# KiCad board SDR_1.2_Base.kicad_pcb
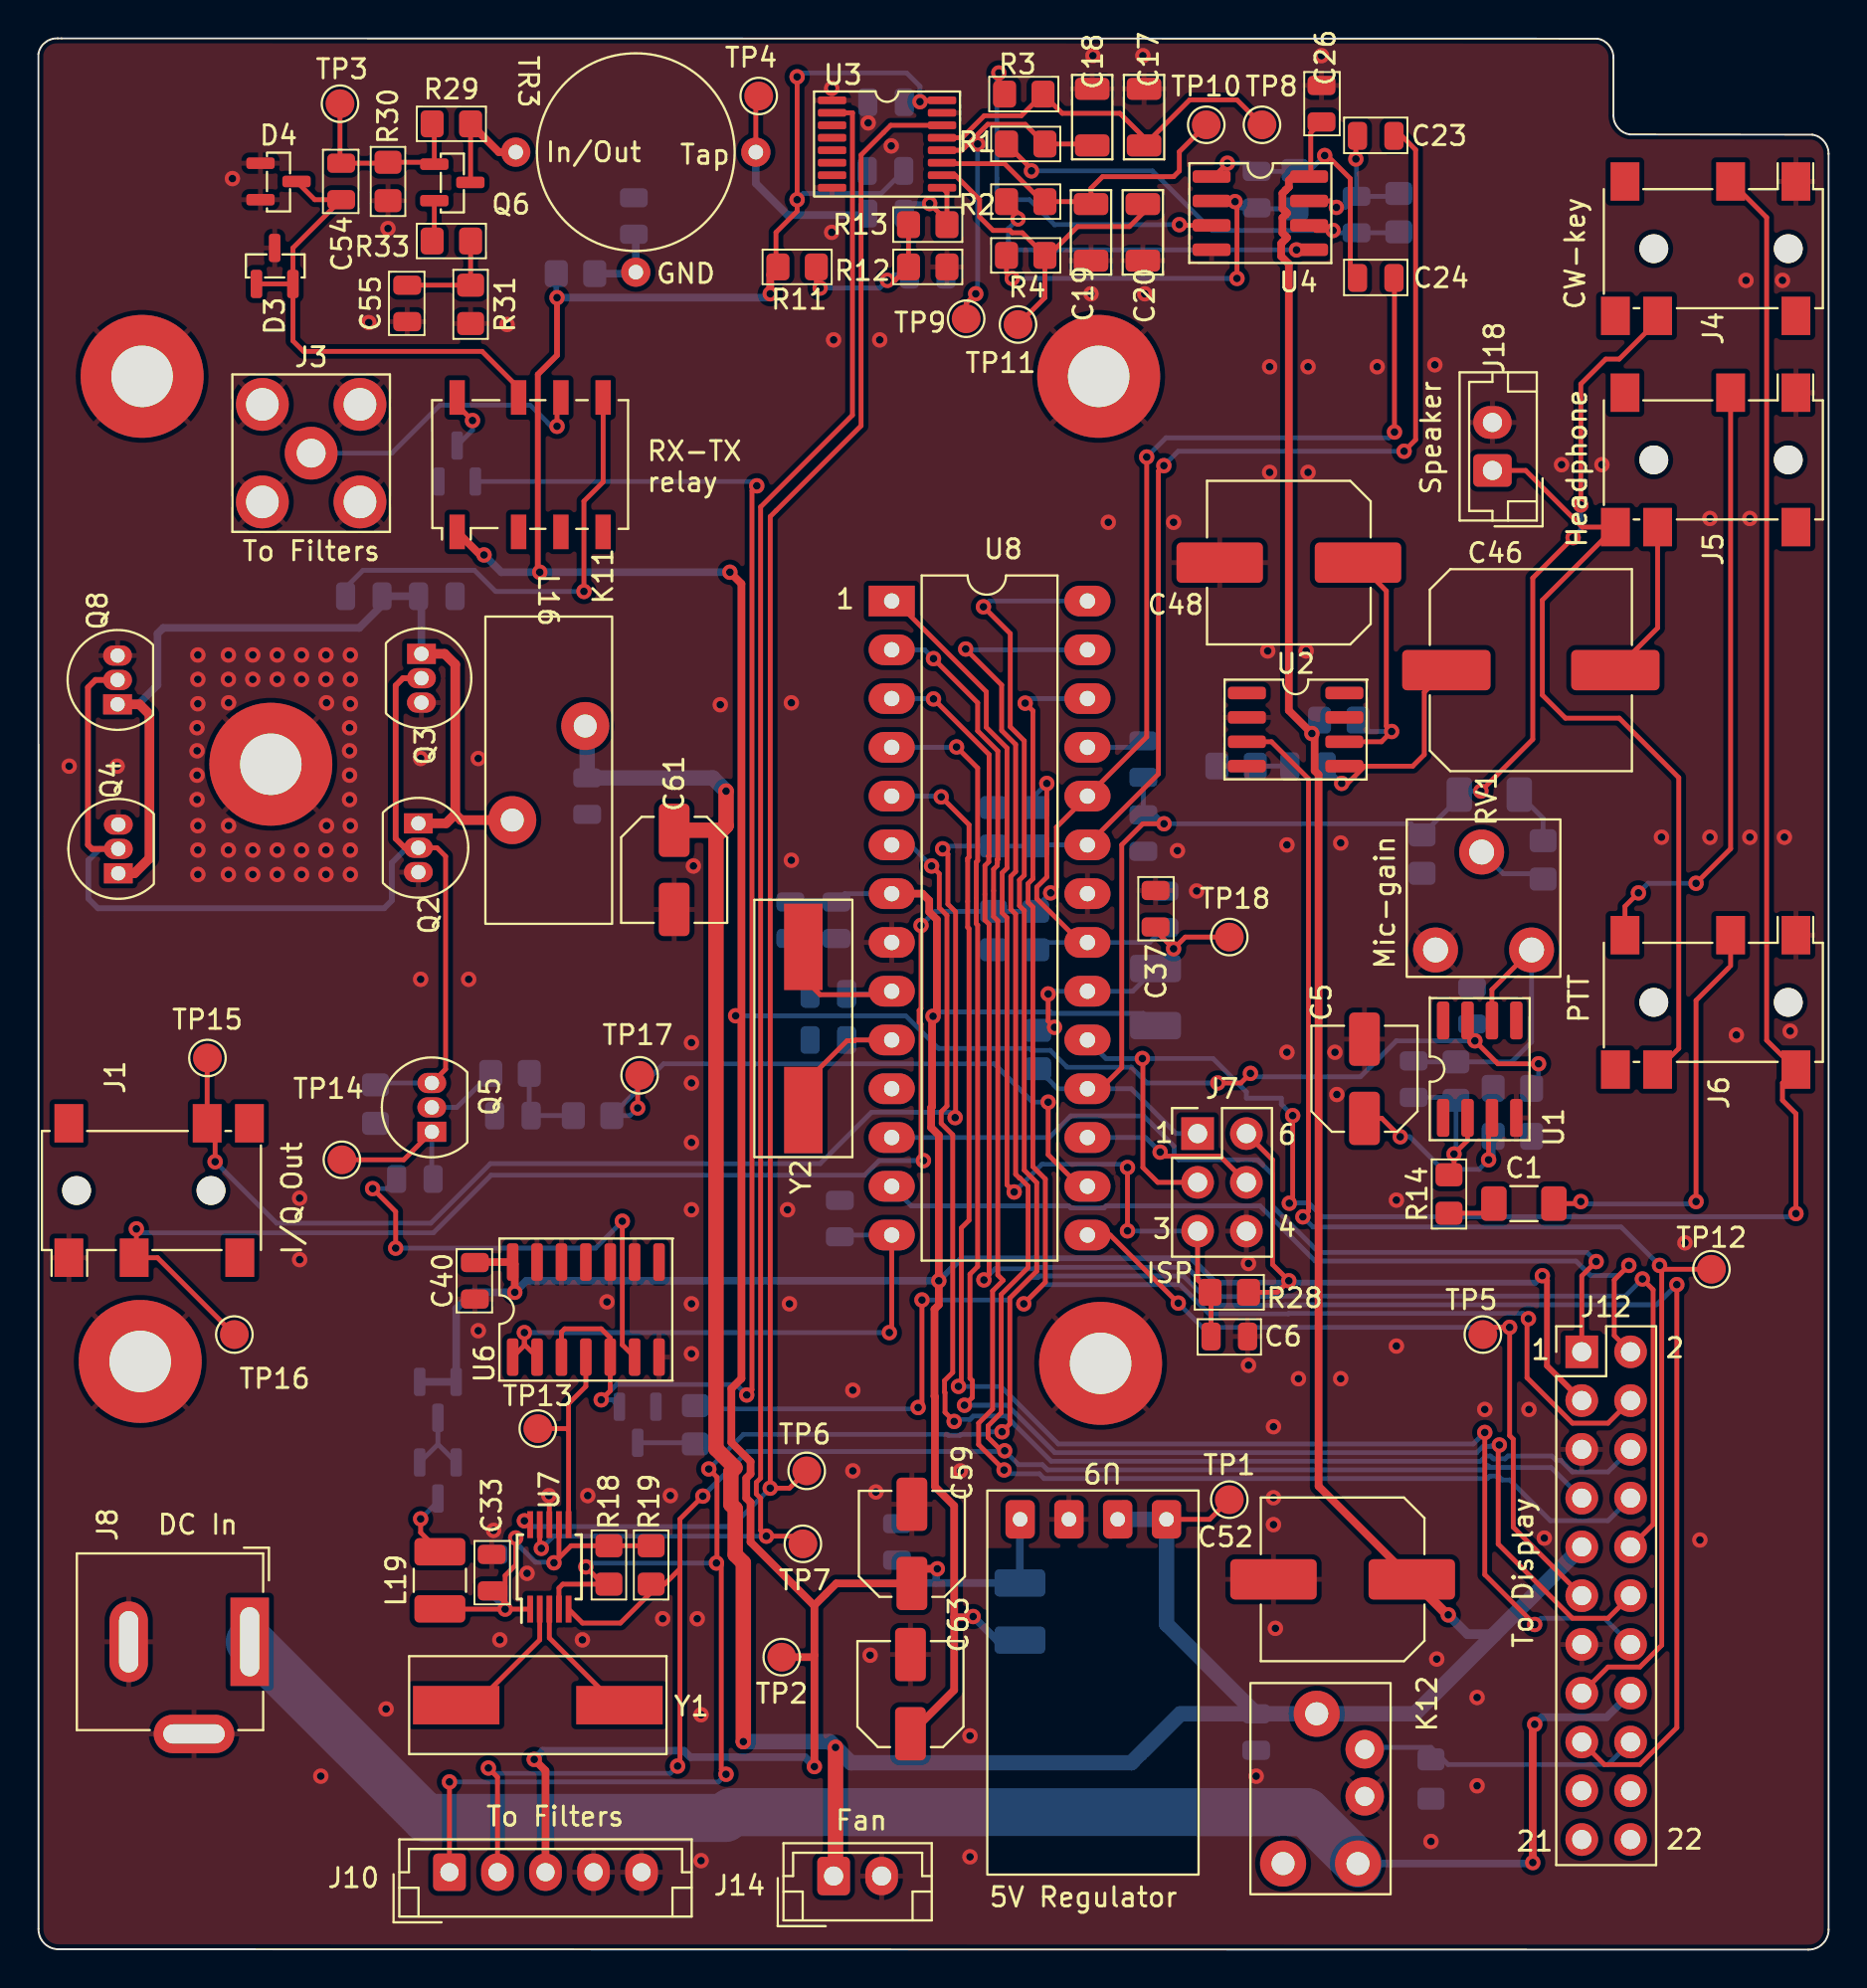
[diagram p0: board, top side]
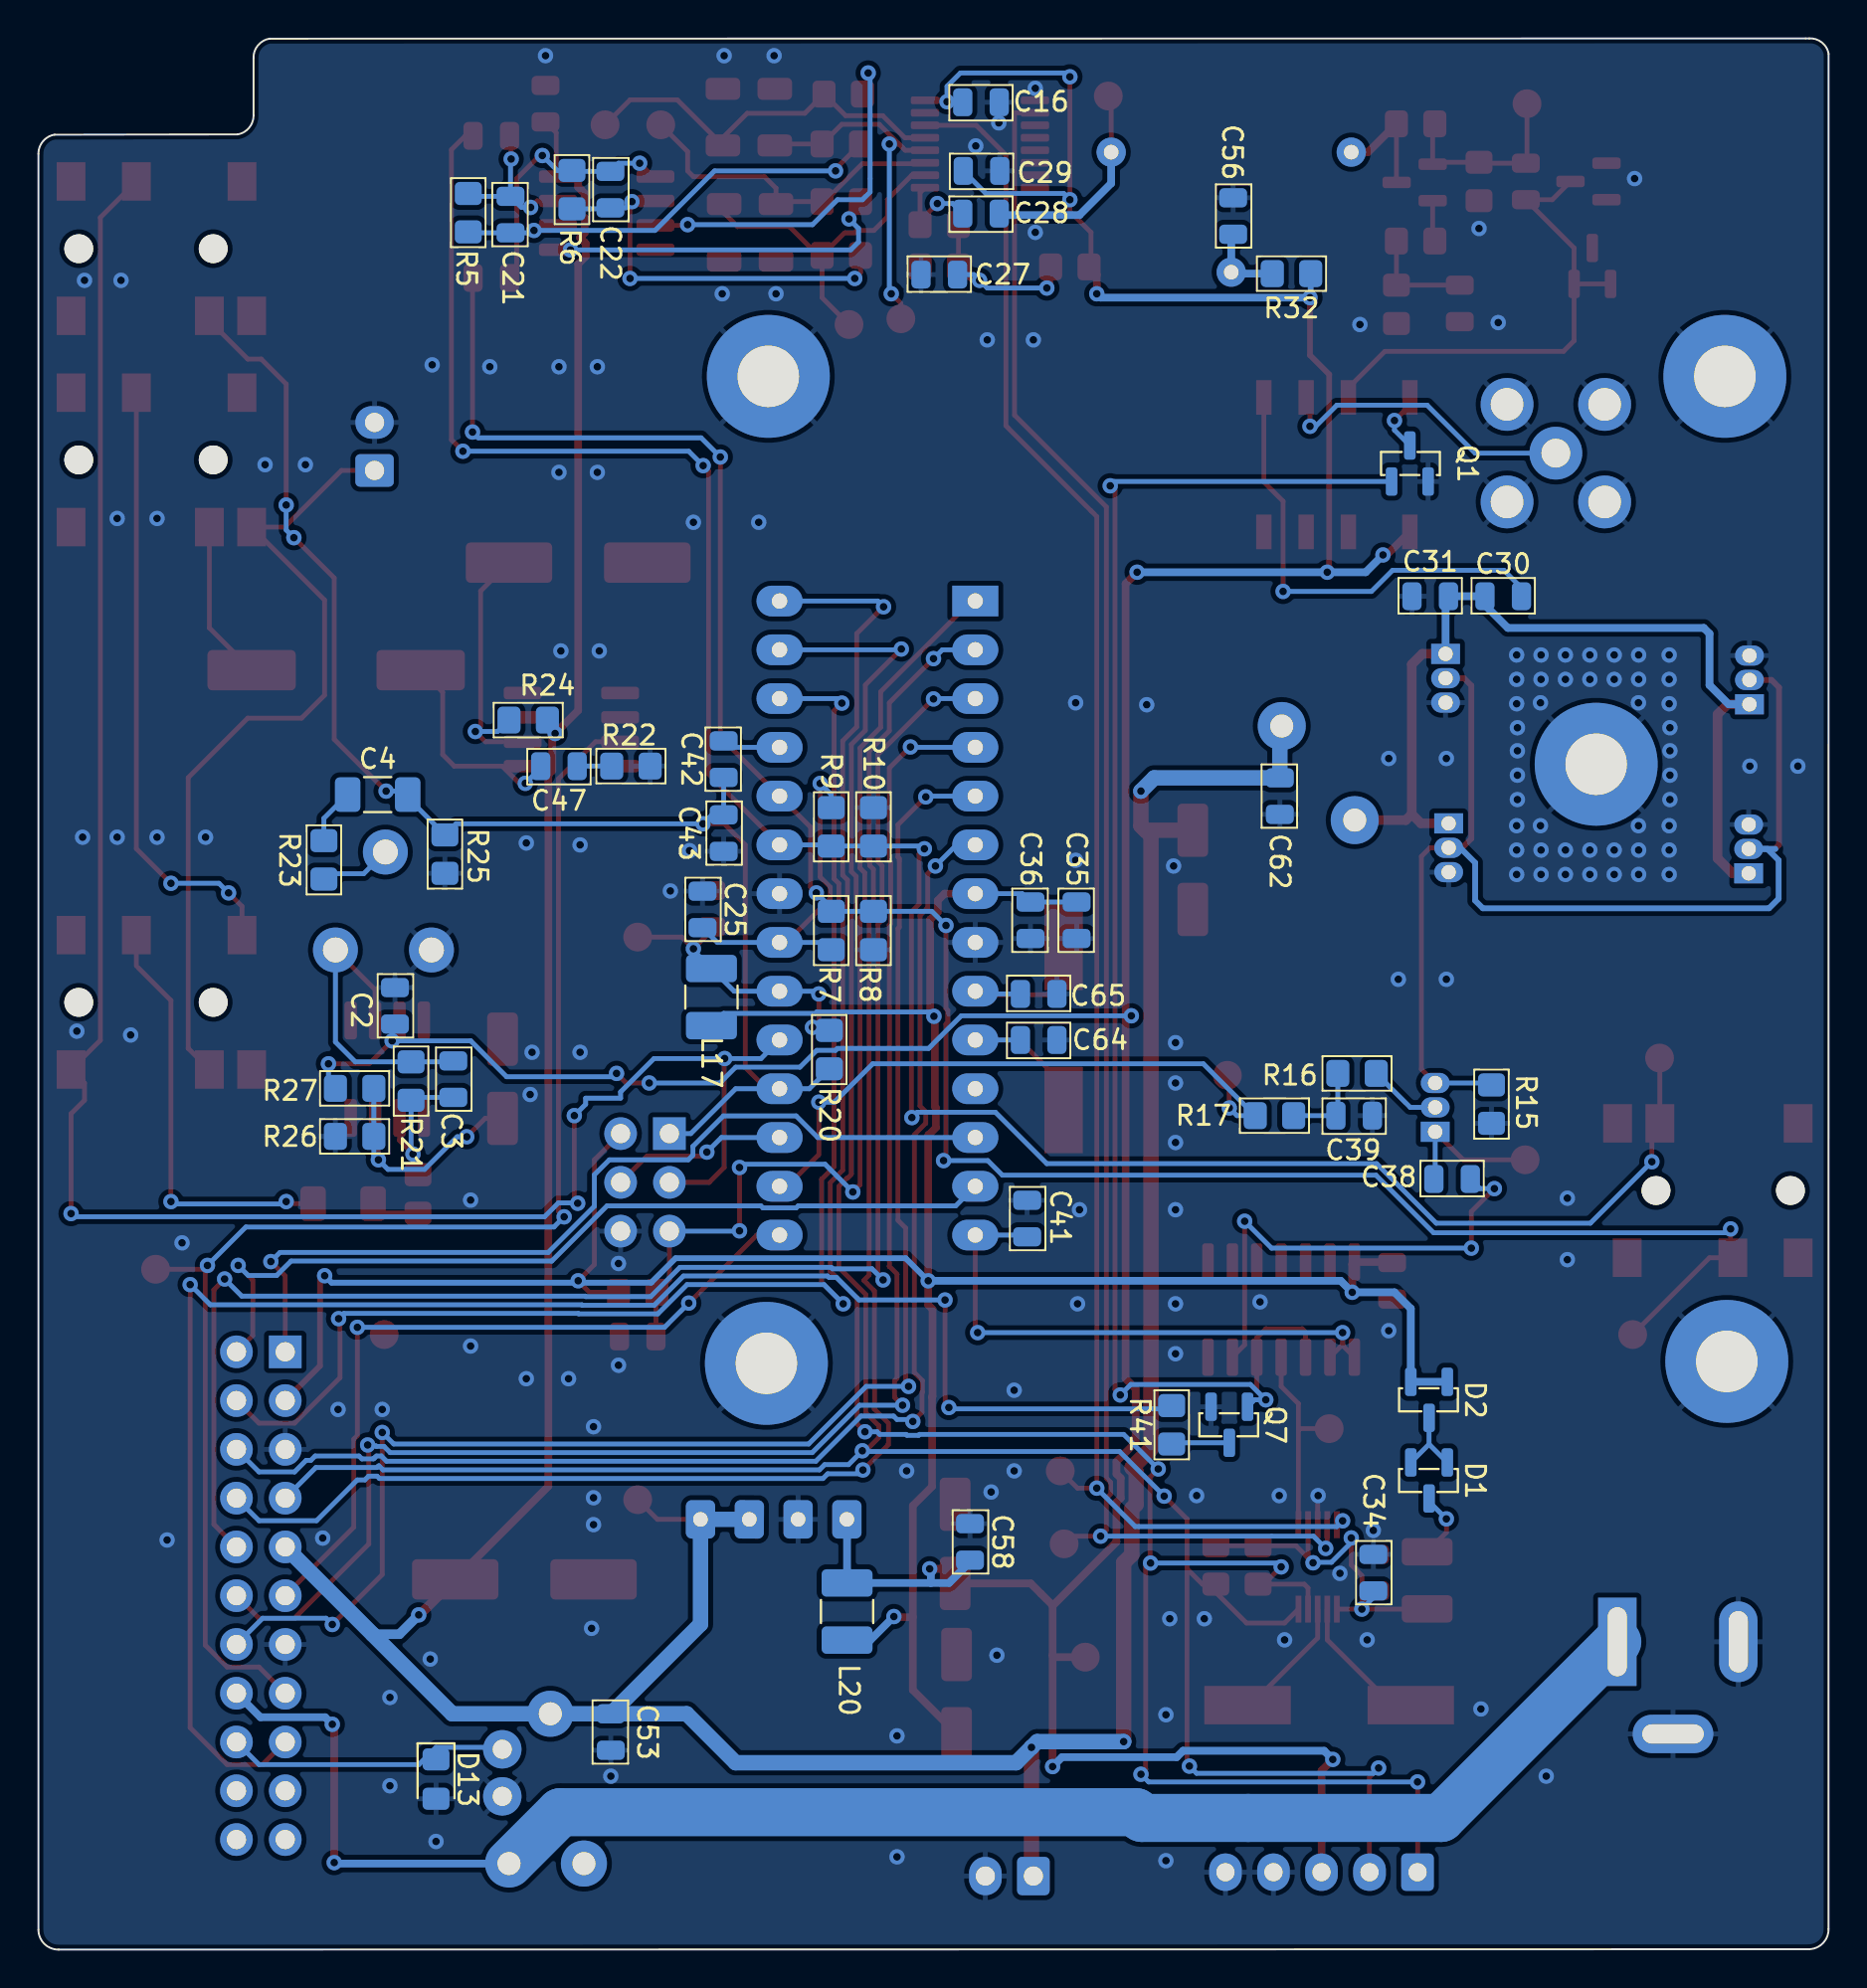
[diagram p1: board, bottom side, seen from below]

Outline 93.2 x 99.53 mm; copper layers: Top, Bottom. Coordinates in mm from the lower left corner of the outline.
Outline path: 0,98.73 arc(0.35,99.32) 1,99.53 1.2,99.53 81.17,99.52 arc(81.77,99.17) 82,98.52 82,95.53 arc(82.23,94.88) 82.83,94.53 92.37,94.52 arc(92.97,94.17) 93.2,93.52 93.2,1.03 arc(92.89,0.3) 92.15,0 1.04,0.02 arc(0.3,0.33) 0,1.07 0,98.73
Stack: Top 0.035mm / dielectric 1.51mm FR4 er 4.5 / Bottom 0.035mm

## Placement (name value [footprint] x y rotation side)
C1  1uF  [C_1206_3216Metric_Pad1.33x1.80mm_HandSolder]  77.34 38.85 0 top
C2  100n  [C_0805_2012Metric]  74.64 49.15 270 bottom
C3  22p  [C_0805_2012Metric]  71.6 45.33 270 bottom
C4  1uF  [C_1206_3216Metric_Pad1.33x1.80mm_HandSolder]  75.54 60.15 180 bottom
C5  10uF  [C_Elec_5x5.4]  69.04 45.35 90 top
C6  10n  [C_0805_2012Metric]  62 31.93 180 top
C16  1n  [C_0805_2012Metric]  44.13 96.21 0 bottom
C17  .47u  [C_1206_3216Metric]  57.56 95.43 270 top
C18  .47u  [C_1206_3216Metric]  54.86 95.43 270 top
C19  .47u  [C_1206_3216Metric]  54.8 89.43 90 top
C20  .47u  [C_1206_3216Metric]  57.5 89.43 90 top
C21  1nF  [C_0805_2012Metric]  68.62 90.36 90 bottom
C22  1nF  [C_0805_2012Metric]  63.42 91.66 270 bottom
C23  100n  [C_0805_2012Metric]  69.62 94.46 0 top
C24  100n  [C_0805_2012Metric]  69.62 87.06 0 top
C25  100n  [C_0805_2012Metric]  58.62 54.17 270 bottom
C26  100n  [C_0805_2012Metric]  66.8 96.13 270 top
C27  100n  [C_0805_2012Metric]  46.3 87.23 180 bottom
C28  10n  [C_0805_2012Metric]  44.13 90.41 0 bottom
C29  100n  [C_0805_2012Metric]  44.1 92.63 0 bottom
C30  100n  [C_0805_2012Metric]  16.94 70.48 180 bottom
C31  33p  [C_0805_2012Metric]  20.74 70.48 180 bottom
C33  100n  [C_0805_2012Metric]  23.6 19.63 270 top
C34  1n  [C_0805_2012Metric]  23.7 19.63 270 bottom
C35  100n  [C_0805_2012Metric]  39.15 53.61 90 bottom
C36  10n  [C_0805_2012Metric]  41.55 53.61 90 bottom
C37  100n  [C_0805_2012Metric]  58.16 54.21 270 top
C38  10n  [C_0805_2012Metric]  19.6 40.13 180 bottom
C39  10n  [C_0805_2012Metric]  24.7 43.43 0 bottom
C40  100n  [C_0805_2012Metric]  22.72 34.83 90 top
C41  10n  [C_0805_2012Metric]  41.72 38.07 270 bottom
C42  100n  [C_0805_2012Metric]  57.52 62 90 bottom
C43  10n  [C_0805_2012Metric]  57.52 58.15 270 bottom
C46  250uF  [C_Elec_10x10.2]  77.7 66.63 0 top
C47  47n  [C_0805_2012Metric]  66.1 61.63 0 bottom
C48  100uF  [C_Elec_8x10.2]  65.1 72.23 180 top
C52  100uF  [C_Elec_8x10.2]  67.9 19.28 180 top
C53  100n  [C_0805_2012Metric]  63.4 11.33 90 bottom
C54  100n  [C_0805_2012Metric]  15.76 92.08 90 top
C55  100n  [C_0805_2012Metric]  19.2 85.73 90 top
C56  100n  [C_0805_2012Metric]  31 90.28 270 bottom
C58  100n  [C_0805_2012Metric]  44.7 21.23 270 bottom
C59  10uF  [C_Elec_5x5.4]  45.47 21.13 90 top
C61  10uF  [C_Elec_5x5.4]  33.1 56.23 270 top
C62  100n  [C_0805_2012Metric]  28.57 60.07 90 bottom
C63  10uF  [C_Elec_5x5.4]  45.4 13.31 90 top
C64  12p  [C_0805_2012Metric]  41.12 47.37 0 bottom
C65  12p  [C_0805_2012Metric]  41.12 49.77 180 bottom
D1  BAV70  [SOT-23]  20.8 24.43 270 bottom
D2  BAV70  [SOT-23]  20.8 28.63 270 bottom
D3  BAV70  [SOT-23]  12.3 87.68 90 top
D4  BAV70  [SOT-23]  12.5 92.08 0 top
D13  20V  [D_0805_2012Metric_Pad1.15x1.40mm_HandSolder]  72.5 8.88 270 bottom
H1  MountingHole_Pad  [MountingHole_3.2mm_M3_Pad_TopBottom]  12.1 61.73 0 top
H9  MountingHole_Pad  [MountingHole_3.2mm_M3_Pad_TopBottom]  5.3 30.63 0 top
H10  MountingHole_Pad  [MountingHole_3.2mm_M3_Pad_TopBottom]  55.3 30.53 0 top
H11  MountingHole_Pad  [MountingHole_3.2mm_M3_Pad_TopBottom]  5.4 81.93 0 top
H12  MountingHole_Pad  [MountingHole_3.2mm_M3_Pad_TopBottom]  55.2 81.93 0 top
J1  AudioJack3_PERE  [Jack_3.5mm_PJ311_Horizontal]  6.28 39.53 90 top
J3  RF IN/OUT  [SMA_Amphenol_901-144_Vertical]  14.2 77.93 0 top
J4  AudioJack3_PERE  [Jack_3.5mm_PJ311_Horizontal]  86.8 88.58 270 top
J5  AudioJack3_PERE  [Jack_3.5mm_PJ311_Horizontal]  86.8 77.58 270 top
J6  AudioJack3_PERE  [Jack_3.5mm_PJ311_Horizontal]  86.8 49.33 270 top
J7  ISP  [PinHeader_2x03_P2.54mm_Vertical]  60.35 42.5 0 top
J8  Barrel_Jack_Switch_Pin3Ring  [BarrelJack_GCT_DCJ200-10-A_Horizontal]  11 16.03 270 top
J10  Conn_01x05  [JST_EH_B5B-EH-A_1x05_P2.50mm_Vertical]  21.4 4.03 0 top
J12  Conn_02x11_Odd_Even  [PinHeader_2x11_P2.54mm_Vertical]  80.35 31.13 0 top
J14  Conn_01x02  [JST_EH_B2B-EH-A_1x02_P2.50mm_Vertical]  41.4 3.83 0 top
J18  Conn_01x02  [JST_EH_B2B-EH-A_1x02_P2.50mm_Vertical]  75.7 77.03 90 top
K11  G6K-2  [Relay_DPDT_Omron_G6K-2F-Y]  25.6 77.33 90 top
K12  Tyco  [Relay_Single-PERE]  66.5 7.68 270 top
L16  1u  [Coil_toroid_T50_Vertical]  26.57 61.32 270 top
L17  10uH  [L_1210_3225Metric_Pad1.42x2.65mm_HandSolder]  58.16 49.61 90 bottom
L19  10uH  [L_1210_3225Metric_Pad1.42x2.65mm_HandSolder]  20.9 19.23 90 top
L20  10uH  [L_1210_3225Metric_Pad1.42x2.65mm_HandSolder]  51.1 17.61 270 bottom
Q1  DTC114E  [SOT-23]  21.8 77.39 90 bottom
Q2  BS170  [TO-92_Inline]  19.78 58.65 270 top
Q3  BS170  [TO-92_Inline]  19.94 67.48 270 top
Q4  BS170  [TO-92_Inline]  4.16 56.05 90 top
Q5  BS170  [TO-92_Inline]  20.48 42.59 90 top
Q6  BFR92A SOT23  [SOT-23]  21.55 92.03 0 top
Q7  DTC114E  [SOT-23]  31.2 27.33 270 bottom
Q8  BS170  [TO-92_Inline]  4.12 64.85 90 top
R1  100  [R_0805_2012Metric_Pad1.20x1.40mm_HandSolder]  51.4 94.03 180 top
R2  100  [R_0805_2012Metric_Pad1.20x1.40mm_HandSolder]  51.4 91.03 180 top
R3  100  [R_0805_2012Metric_Pad1.20x1.40mm_HandSolder]  51.3 96.63 180 top
R4  100  [R_0805_2012Metric_Pad1.20x1.40mm_HandSolder]  51.4 88.23 180 top
R5  82k  [R_0805_2012Metric_Pad1.20x1.40mm_HandSolder]  70.82 90.46 90 bottom
R6  82k  [R_0805_2012Metric_Pad1.20x1.40mm_HandSolder]  65.42 91.66 270 bottom
R7  10k  [R_0805_2012Metric_Pad1.20x1.40mm_HandSolder]  51.92 53.07 90 bottom
R8  10k  [R_0805_2012Metric_Pad1.20x1.40mm_HandSolder]  49.72 53.07 270 bottom
R9  10k  [R_0805_2012Metric_Pad1.20x1.40mm_HandSolder]  51.92 58.47 270 bottom
R10  10k  [R_0805_2012Metric_Pad1.20x1.40mm_HandSolder]  49.72 58.47 90 bottom
R11  10k  [R_0805_2012Metric_Pad1.20x1.40mm_HandSolder]  39.5 87.63 180 top
R12  10k  [R_0805_2012Metric_Pad1.20x1.40mm_HandSolder]  46.3 87.63 0 top
R13  1k  [R_0805_2012Metric_Pad1.20x1.40mm_HandSolder]  46.3 89.83 180 top
R14  1K  [R_0805_2012Metric_Pad1.20x1.40mm_HandSolder]  73.44 39.35 90 top
R15  100k  [R_0805_2012Metric_Pad1.20x1.40mm_HandSolder]  17.55 44.03 270 bottom
R16  10k  [R_0805_2012Metric_Pad1.20x1.40mm_HandSolder]  24.55 45.63 180 bottom
R17  10k  [R_0805_2012Metric_Pad1.20x1.40mm_HandSolder]  28.85 43.43 180 bottom
R18  1k  [R_0805_2012Metric_Pad1.20x1.40mm_HandSolder]  29.7 20.03 270 top
R19  1k  [R_0805_2012Metric_Pad1.20x1.40mm_HandSolder]  31.9 20.03 270 top
R20  10k  [R_0805_2012Metric_Pad1.20x1.40mm_HandSolder]  52.02 46.87 90 bottom
R21  100k  [R_0805_2012Metric_Pad1.20x1.40mm_HandSolder]  73.8 45.23 270 bottom
R22  10  [R_0805_2012Metric_Pad1.20x1.40mm_HandSolder]  62.35 61.64 180 bottom
R23  20k  [R_0805_2012Metric_Pad1.20x1.40mm_HandSolder]  78.34 56.75 90 bottom
R24  10  [R_0805_2012Metric_Pad1.20x1.40mm_HandSolder]  67.7 64.03 0 bottom
R25  20k  [R_0805_2012Metric_Pad1.20x1.40mm_HandSolder]  72.04 57.05 90 bottom
R26  10k  [R_0805_2012Metric_Pad1.20x1.40mm_HandSolder]  76.74 42.35 180 bottom
R27  10k  [R_0805_2012Metric_Pad1.20x1.40mm_HandSolder]  76.74 44.85 180 bottom
R28  10k  [R_0805_2012Metric_Pad1.20x1.40mm_HandSolder]  62 34.23 180 top
R29  2k2  [R_0805_2012Metric_Pad1.20x1.40mm_HandSolder]  21.5 95.08 180 top
R30  1k  [R_0805_2012Metric_Pad1.20x1.40mm_HandSolder]  18.2 92.08 270 top
R31  47R  [R_0805_2012Metric_Pad1.20x1.40mm_HandSolder]  22.5 85.68 270 top
R32  10R  [R_0805_2012Metric_Pad1.20x1.40mm_HandSolder]  27.96 87.28 180 bottom
R33  10R  [R_0805_2012Metric_Pad1.20x1.40mm_HandSolder]  21.5 88.98 0 top
R41  390R  [R_0805_2012Metric_Pad1.20x1.40mm_HandSolder]  34.2 27.33 90 bottom
RV1  10k  [Potentiometer_Piher_PT-10-V10_Vertical]  77.74 52.06 90 top
TP1  V12  [TestPoint_Pad_D1.5mm]  62 23.43 0 top
TP2  V5  [TestPoint_Pad_D1.5mm]  38.7 15.23 0 top
TP3  RX1  [TestPoint_Pad_D1.5mm]  15.7 96.13 0 top
TP4  RX2  [TestPoint_Pad_D1.5mm]  37.5 96.53 0 top
TP5  Audio 1  [TestPoint_Pad_D1.5mm]  75.2 32.03 0 top
TP6  CLK0  [TestPoint_Pad_D1.5mm]  40 24.93 0 top
TP7  CLK1  [TestPoint_Pad_D1.5mm]  39.8 21.13 0 top
TP8  F0  [TestPoint_Pad_D1.5mm]  63.7 95.03 0 top
TP9  F1  [TestPoint_Pad_D1.5mm]  48.3 84.93 0 top
TP10  F2  [TestPoint_Pad_D1.5mm]  60.8 95.03 0 top
TP11  F3  [TestPoint_Pad_D1.5mm]  51 84.63 180 top
TP12  Audio 2  [TestPoint_Pad_D1.5mm]  87.1 35.43 0 top
TP13  CLK2  [TestPoint_Pad_D1.5mm]  26 27.13 0 top
TP14  TX carrier  [TestPoint_Pad_D1.5mm]  15.8 41.13 0 top
TP15  Signal I  [TestPoint_Pad_D1.5mm]  8.8 46.43 0 top
TP16  Signal Q  [TestPoint_Pad_D1.5mm]  10.2 32.03 0 top
TP17  Modulation  [TestPoint_Pad_D1.5mm]  31.3 45.53 0 top
TP18  V micro  [TestPoint_Pad_D1.5mm]  62 52.73 0 top
TR3  4:1  [Toroid_TR4to1_11mm]  31.1 93.61 270 top
U1  TL071  [SOP-8_3.76x4.96mm_P1.27mm]  75.04 45.85 90 top
U2  LM386 SOP8  [SOP-8_3.76x4.96mm_P1.27mm]  65.45 63.54 0 top
U3  FST3253 TSSOP16  [TSSOP-16_4.4x5mm_P0.65mm]  44.18 94.03 0 top
U4  LM4562 SOP8  [SOP-8_3.76x4.96mm_P1.27mm]  63.62 90.43 0 top
U6  74HC00 SOP14  [SO-14_3.9x8.65mm_P1.27mm]  28.5 33.33 90 top
U7  Si5351A MSOP10  [MSOP-10_3x3mm_P0.5mm]  26.6 19.93 90 top
U8  ATMEGA328P_DIP28  [DIP-28_W10.16mm_LongPads]  44.42 70.23 0 top
U9  Regulador_conmutado-PERE  [Regulador_conmutado_5V-PERE]  54.9 13.41 180 top
Y1  27MHz  [Crystal_SMD_HC49-SD]  26 12.73 180 top
Y2  20MHz  [Crystal_SMD_HC49-SD]  39.82 47.97 90 top

## Footprints (pads in the part's own frame, mm; a bottom-side part is the same pattern mirrored in y, then rotated)
BarrelJack_GCT_DCJ200-10-A_Horizontal
  rect 4.6x2 hole 3.6x1: 1(0,0)
  oval 4.2x2 hole 3.2x1: 2(0,-6.3)
  oval 2x4.2 hole 1x3.2: 3(4.8,-2.9)
C_0805_2012Metric
  rrect 1x1.45 smd: 1(-0.95,0) 2(0.95,0)
C_1206_3216Metric
  rrect 1.15x1.8 smd: 1(-1.475,0) 2(1.475,0)
C_1206_3216Metric_Pad1.33x1.80mm_HandSolder
  rrect 1.325x1.8 smd: 1(-1.562,0) 2(1.562,0)
C_Elec_5x5.4
  rrect 2.775x1.6 smd: 1(-2.062,0) 2(2.062,0)
C_Elec_8x10.2
  rrect 4.5x2.1 smd: 1(-3.6,0) 2(3.6,0)
C_Elec_10x10.2
  rrect 4.6x2.1 smd: 1(-4.4,0) 2(4.4,0)
Coil_toroid_T50_Vertical
  round 2.5 hole 1.2: 1(-2.4,1.9) 2(2.5,-1.9)
Crystal_SMD_HC49-SD
  rect 4.5x2 smd: 1(-4.25,0) 2(4.25,0)
D_0805_2012Metric_Pad1.15x1.40mm_HandSolder
  rrect 1.15x1.4 smd: 1(-1.025,0) 2(1.025,0)
DIP-28_W10.16mm_LongPads
  rect 2.4x1.6 hole 0.8: 1(0,0)
  oval 2.4x1.6 hole 0.8: 2(0,-2.54) 3(0,-5.08) 4(0,-7.62) 5(0,-10.16) 6(0,-12.7) 7(0,-15.24) 8(0,-17.78) 9(0,-20.32) 10(0,-22.86) 11(0,-25.4) 12(0,-27.94) 13(0,-30.48) 14(0,-33.02) 15(10.19,-33.02) 16(10.19,-30.48) 17(10.19,-27.94) 18(10.19,-25.4) 19(10.19,-22.86) 20(10.19,-20.32) 21(10.19,-17.78) 22(10.19,-15.24) 23(10.19,-12.7) 24(10.19,-10.16) 25(10.19,-7.62) 26(10.19,-5.08) 27(10.19,-2.54) 28(10.19,0)
Jack_3.5mm_PJ311_Horizontal
  round 1.5 hole 1.5 unplated: (0,4.3) (0,-2.7)
  rect 2x1.5 smd: 1(-3.5,4.7) 2(3.5,4.7) 3(-3.5,1.3) 4(3.5,-2.5) 5(3.5,-4.7) 6(-3.5,-4.2)
JST_EH_B2B-EH-A_1x02_P2.50mm_Vertical
  rrect 1.7x2 hole 1: 1(0,0)
  oval 1.7x2 hole 1: 2(2.5,0)
JST_EH_B5B-EH-A_1x05_P2.50mm_Vertical
  rrect 1.7x1.95 hole 0.95: 1(0,0)
  oval 1.7x1.95 hole 0.95: 2(2.5,0) 3(5,0) 4(7.5,0) 5(10,0)
L_1210_3225Metric_Pad1.42x2.65mm_HandSolder
  rrect 1.425x2.65 smd: 1(-1.488,0) 2(1.488,0)
MountingHole_3.2mm_M3_Pad_TopBottom
  round 3.6 hole 3.2: 1(0,0)
  round 6.4 smd: 1(0,0)
  round 6.4 smd far side: 1(0,0)
MSOP-10_3x3mm_P0.5mm
  rect 1.4x0.3 smd: 1(-2.2,1) 2(-2.2,0.5) 3(-2.2,0) 4(-2.2,-0.5) 5(-2.2,-1) 6(2.2,-1) 7(2.2,-0.5) 8(2.2,0) 9(2.2,0.5) 10(2.2,1)
PinHeader_2x03_P2.54mm_Vertical
  rect 1.7x1.7 hole 1: 1(0,0)
  oval 1.7x1.7 hole 1: 2(0,-2.54) 3(0,-5.08) 4(2.54,-5.08) 5(2.54,-2.54) 6(2.54,0)
PinHeader_2x11_P2.54mm_Vertical
  rect 1.7x1.7 hole 1: 1(0,0)
  oval 1.7x1.7 hole 1: 2(2.54,0) 3(0,-2.54) 4(2.54,-2.54) 5(0,-5.08) 6(2.54,-5.08) 7(0,-7.62) 8(2.54,-7.62) 9(0,-10.16) 10(2.54,-10.16) 11(0,-12.7) 12(2.54,-12.7) 13(0,-15.24) 14(2.54,-15.24) 15(0,-17.78) 16(2.54,-17.78) 17(0,-20.32) 18(2.54,-20.32) 19(0,-22.86) 20(2.54,-22.86) 21(0,-25.4) 22(2.54,-25.4)
Potentiometer_Piher_PT-10-V10_Vertical
  round 2.34 hole 1.3: 1(0,0) 2(5.1,2.6) 3(0,5)
R_0805_2012Metric_Pad1.20x1.40mm_HandSolder
  rrect 1.2x1.4 smd: 1(-1,0) 2(1,0)
Regulador_conmutado_5V-PERE
  rrect 1.524x2 hole 0.762 rot 0.3: 1(-1.29,-9)
  rrect 1.524x2 hole 0.762: 2(3.79,-9) 3(-3.83,-9) 4(1.25,-9)
Relay_DPDT_Omron_G6K-2F-Y
  rect 1.8x0.8 smd: 1(-3.5,3.8) 2(-3.5,0.6) 3(-3.5,-1.6) 4(-3.5,-3.8) 5(3.5,-3.8) 6(3.5,-1.6) 7(3.5,0.6) 8(3.5,3.8)
Relay_Single-PERE
  round 2 hole 1: 1(-2.75,2.55) 6(-0.3,2.55)
  round 2.4 hole 1.2: 7(-4.6,0.05) 10(3.2,-1.7) 12(3.2,2.2)
SMA_Amphenol_901-144_Vertical
  round 2.75 hole 1.5: 1(0,0)
  round 2.75 hole 1.7: 2(-2.54,2.54) 2(-2.54,-2.54) 2(2.54,2.54) 2(2.54,-2.54)
SO-14_3.9x8.65mm_P1.27mm
  rrect 1.95x0.6 smd: 1(-2.475,3.81) 2(-2.475,2.54) 3(-2.475,1.27) 4(-2.475,0) 5(-2.475,-1.27) 6(-2.475,-2.54) 7(-2.475,-3.81) 8(2.475,-3.81) 9(2.475,-2.54) 10(2.475,-1.27) 11(2.475,0) 12(2.475,1.27) 13(2.475,2.54) 14(2.475,3.81)
SOP-8_3.76x4.96mm_P1.27mm
  rrect 1.975x0.65 smd: 1(-2.538,1.905) 2(-2.538,0.635) 3(-2.538,-0.635) 4(-2.538,-1.905) 5(2.538,-1.905) 6(2.538,-0.635) 7(2.538,0.635) 8(2.538,1.905)
SOT-23
  rrect 1.475x0.6 smd: 1(-0.938,0.95) 2(-0.938,-0.95) 3(0.938,0)
TestPoint_Pad_D1.5mm
  round 1.5 smd: 1(0,0)
TO-92_Inline
  rect 1.05x1.5 hole 0.75: 1(0,0)
  oval 1.05x1.5 hole 0.75: 2(1.27,0) 3(2.54,0)
Toroid_TR4to1_11mm
  round 1.524 hole 0.762: 1(6.25,0) 2(0,6.25) 3(0,-6.25)
TSSOP-16_4.4x5mm_P0.65mm
  rrect 1.475x0.4 smd: 1(-2.862,2.275) 2(-2.862,1.625) 3(-2.862,0.975) 4(-2.862,0.325) 5(-2.862,-0.325) 6(-2.862,-0.975) 7(-2.862,-1.625) 8(-2.862,-2.275) 9(2.862,-2.275) 10(2.862,-1.625) 11(2.862,-0.975) 12(2.862,-0.325) 13(2.862,0.325) 14(2.862,0.975) 15(2.862,1.625) 16(2.862,2.275)